# Altium PCB PicoPrint-Alt1.PcbDoc (part 3 of 3) (continued)
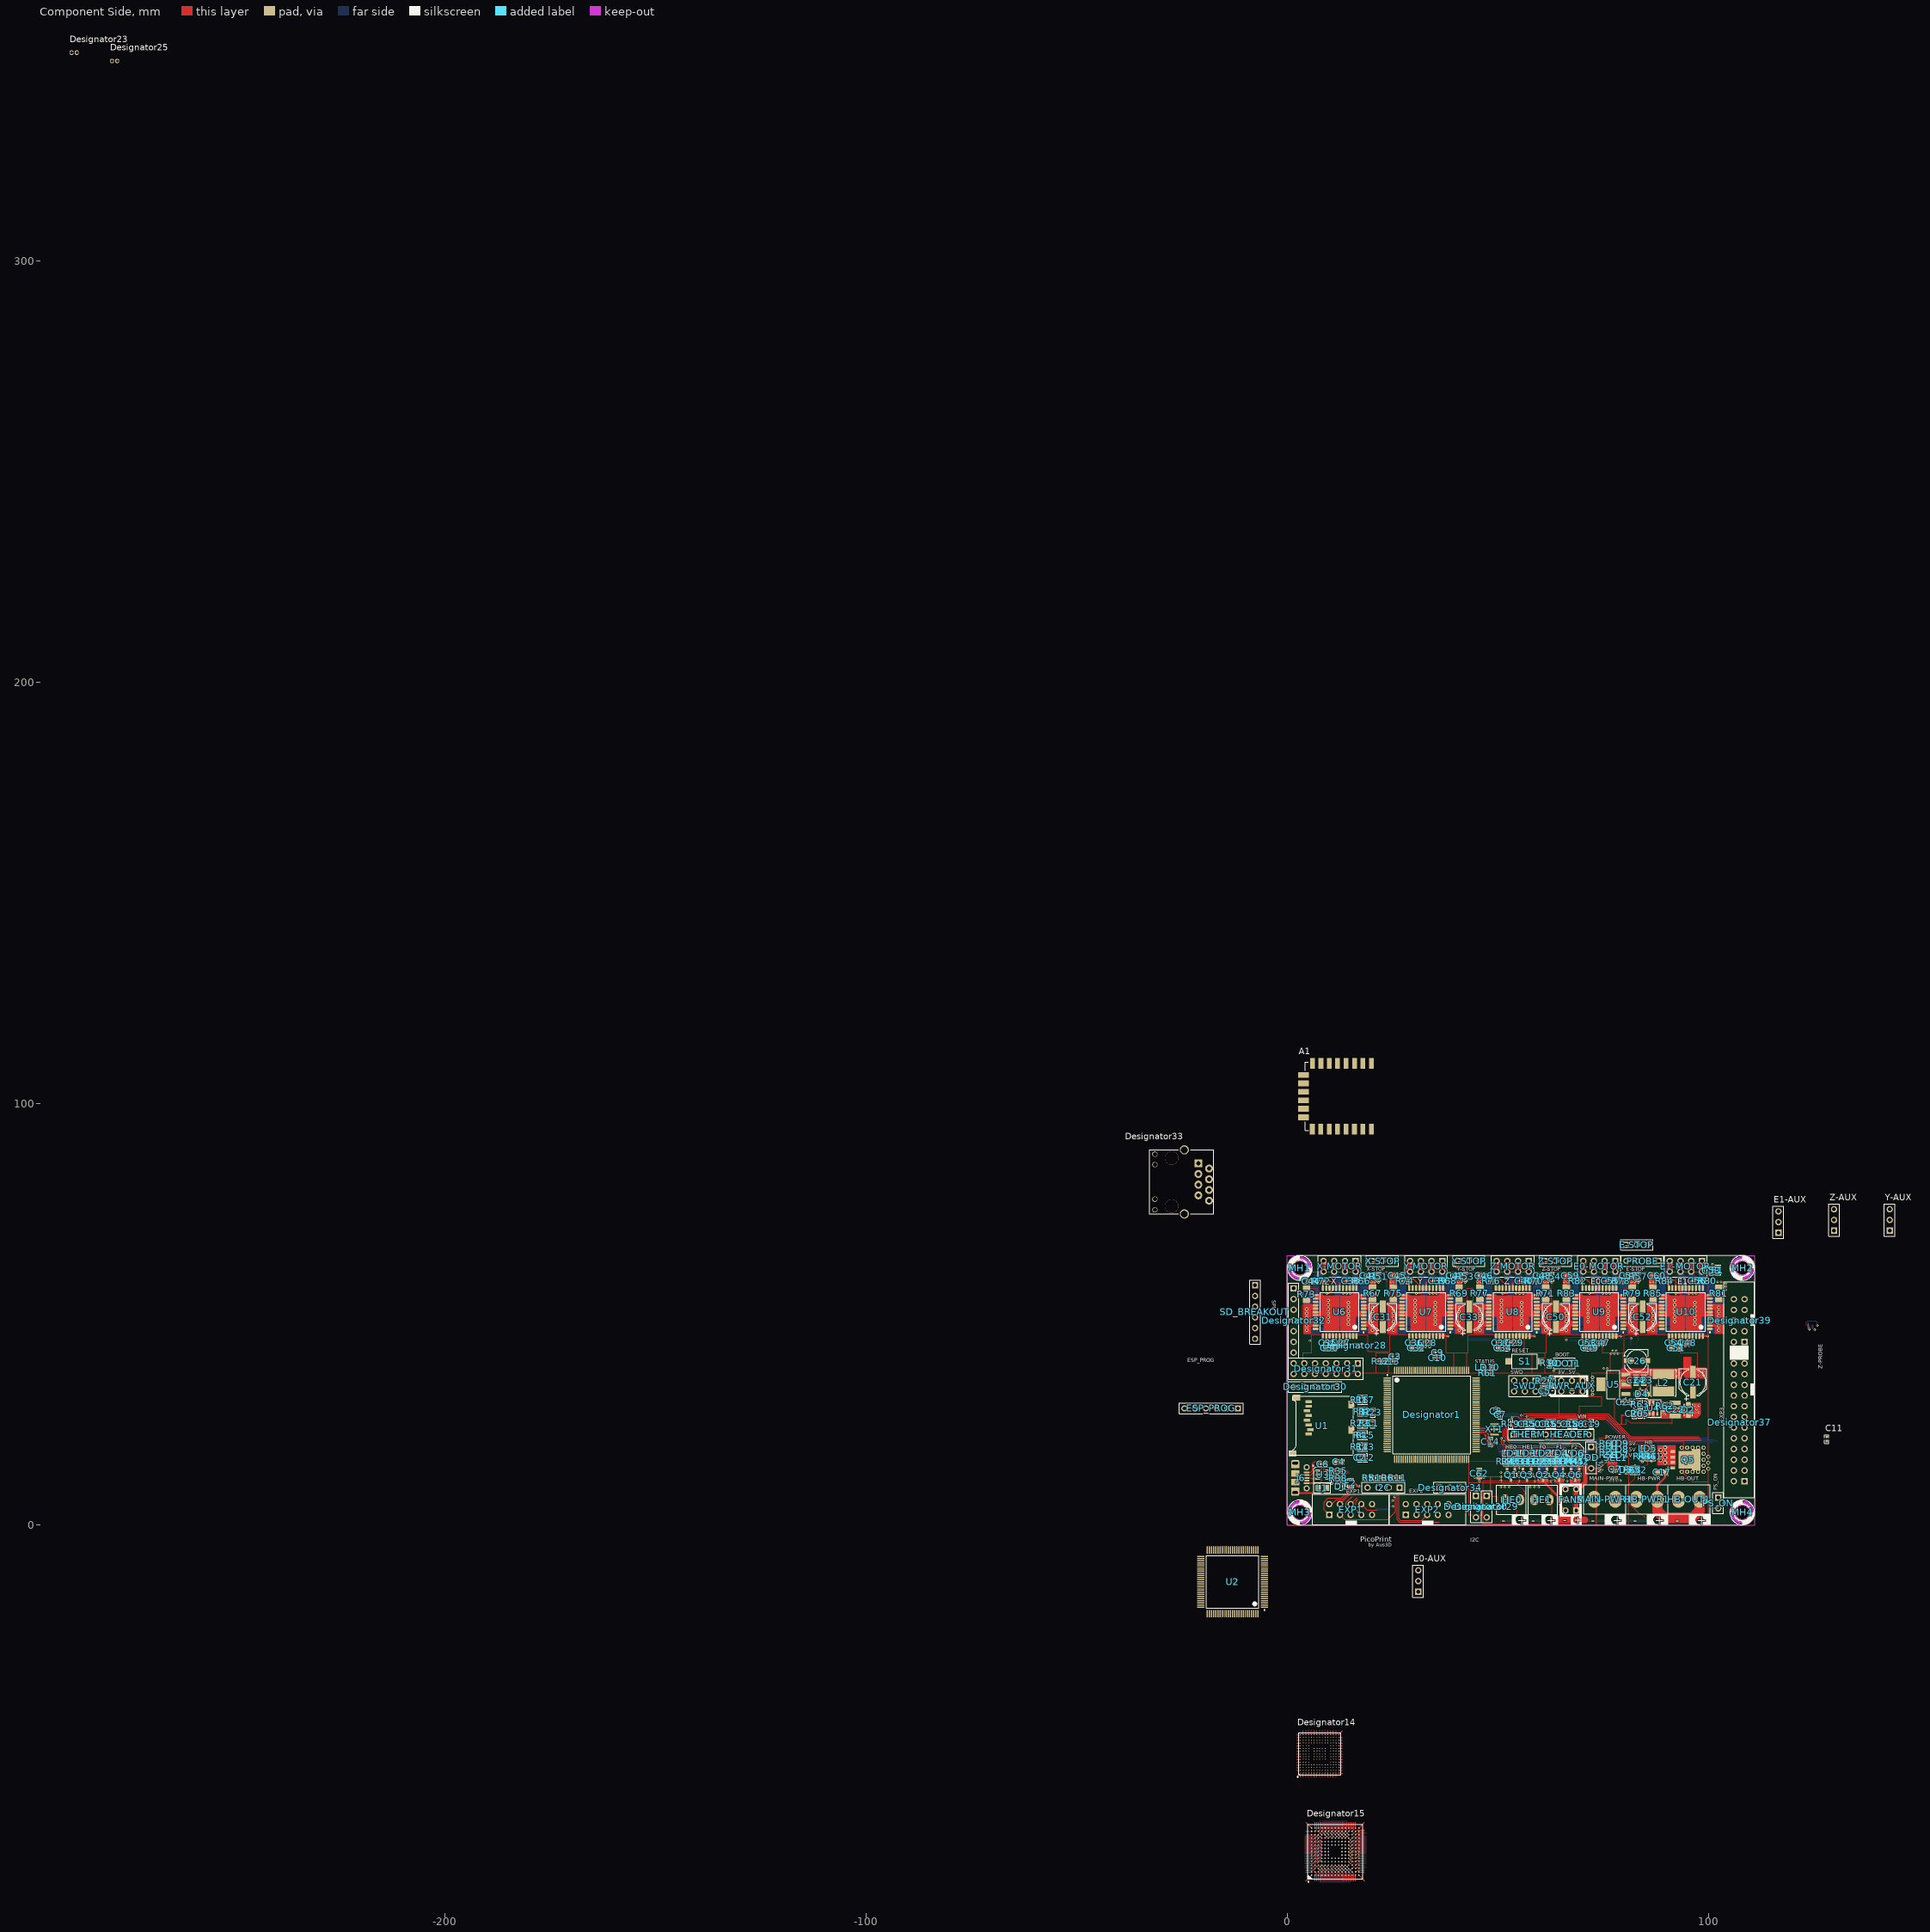
[diagram p0: Component Side view]
## Nets (pads, with @x,y where several pads share a name; then routed paths per layer and width w, separated by ;. In a path a pad name is that pad's centre, name@x,y a point inside that pad or via, vN(x,y) a via of type N, cw(c..) or ccw(c..) an arc to the next point about the centre after c; other vN are vias at no path point) (continued)

## Polygon pours and split planes (outlines as drawn)
HB_GND on Component Side "NONET_L01_P124" (solid, shelved, pour order 124): 73.45,0 73.45,12.6 76.3,15.45 76.3,19.9 85.5,19.9 85.5,14.3 82.45,13 82.45,11.05 80.873,9.473 80.873,0
GND on Component Side "NONET_L01_P187" (solid, remove dead copper, shelved, pour order 187): 0,60 0,0 100,0 100,60
GND on Component Side "NONET_L01_P148" (solid, remove dead copper, shelved, pour order 148): 95.377,51.816 93.599,51.816 93.599,56.515 93.526,56.588 92.21,56.588 92.21,58.539 94.234,58.547 94.234,55.499 95.504,54.229 96.647,54.229 96.647,51.816 96.647,51.308 95.44,51.308
VIN1 on Component Side "Bottom Layer-MPU-GND" (solid, remove dead copper, shelved, pour order 144): 80.876,45.204 93.281,45.204 93.281,40.894 95.948,40.894 97.282,40.894 97.282,35.954 95.123,35.954 76.708,35.954 76.708,40.894 80.01,40.894 80.01,45.204
NetC58_2 on Component Side "Bottom Layer-MPU-GND" (solid, remove dead copper, shelved, pour order 143): 92.076,48.704 95.376,48.704 95.376,50.004 95.376,52.197 94.383,52.197 93.376,53.204 93.376,56.204 92.076,56.204 92.076,50.304
NetC60_2 on Component Side "Bottom Layer-MPU-GND" (solid, remove dead copper, shelved, pour order 142): 81.168,48.704 77.868,48.704 77.868,50.004 77.868,52.197 78.861,52.197 79.868,53.204 79.868,56.204 81.168,56.204 81.168,50.304
NetC59_2 on Component Side "Bottom Layer-MPU-GND" (solid, remove dead copper, shelved, pour order 141): 62.626,48.704 59.326,48.704 59.326,50.004 59.326,52.197 60.319,52.197 61.326,53.204 61.326,56.204 62.626,56.204 62.626,50.304
NetC57_2 on Component Side "Bottom Layer-MPU-GND" (solid, remove dead copper, shelved, pour order 140): 73.534,48.704 76.834,48.704 76.834,50.004 76.834,52.197 75.841,52.197 74.834,53.204 74.834,56.204 73.534,56.204 73.534,50.304
VIN1 on Component Side "Bottom Layer-MPU-GND" (solid, remove dead copper, shelved, pour order 139): 62.334,45.204 74.739,45.204 74.739,40.894 77.406,40.894 79.629,40.894 79.629,35.954 76.581,35.954 72.25,35.954 72.25,30.6 69.35,30.6 69.35,35.954 58.166,35.954 58.166,40.894 61.468,40.894 61.468,45.204
VIN1 on Component Side "Bottom Layer-MPU-GND" (solid, remove dead copper, shelved, pour order 138): 43.792,45.204 56.197,45.204 56.197,40.894 58.864,40.894 61.087,40.894 61.087,35.954 58.039,35.954 39.624,35.954 39.624,40.894 42.926,40.894 42.926,45.204
NetC43_2 on Component Side "Bottom Layer-MPU-GND" (solid, remove dead copper, shelved, pour order 137): 54.992,48.704 58.292,48.704 58.292,50.004 58.292,52.197 57.299,52.197 56.292,53.204 56.292,56.204 54.992,56.204 54.992,50.304
NetC46_2 on Component Side "Bottom Layer-MPU-GND" (solid, remove dead copper, shelved, pour order 136): 44.084,48.704 40.784,48.704 40.784,50.004 40.784,52.197 41.777,52.197 42.784,53.204 42.784,56.204 44.084,56.204 44.084,50.304
VIN1 on Component Side "Bottom Layer-MPU-GND" (solid, remove dead copper, shelved, pour order 135): 6.708,45.204 19.113,45.204 19.113,41.2 24.003,41.2 24.003,35.954 20.955,35.954 3.81,35.954 3.81,40.894 5.842,40.894 5.842,45.204
NetC41_2 on Component Side "Bottom Layer-MPU-GND" (solid, remove dead copper, shelved, pour order 134): 17.908,48.704 21.208,48.704 21.208,50.004 21.208,52.197 20.215,52.197 19.208,53.204 19.208,56.204 17.908,56.204 17.908,50.304
NetC44_2 on Component Side "Bottom Layer-MPU-GND" (solid, remove dead copper, shelved, pour order 133): 7,48.704 3.7,48.704 3.7,50.004 3.7,52.197 4.693,52.197 5.7,53.204 5.7,56.204 7,56.204 7,50.304
NetC45_2 on Component Side "Bottom Layer-MPU-GND" (solid, remove dead copper, shelved, pour order 130): 25.542,48.704 22.242,48.704 22.242,50.004 22.242,52.197 23.235,52.197 24.242,53.204 24.242,56.204 25.542,56.204 25.542,50.304
NetC42_2 on Component Side "Bottom Layer-MPU-GND" (solid, remove dead copper, shelved, pour order 129): 36.45,48.704 39.75,48.704 39.75,50.004 39.75,52.197 38.757,52.197 37.75,53.204 37.75,56.204 36.45,56.204 36.45,50.304
VIN1 on Component Side "Bottom Layer-MPU-GND" (solid, remove dead copper, shelved, pour order 128): 25.25,45.204 37.655,45.204 37.655,40.894 40.322,40.894 42.545,40.894 42.545,35.954 39.497,35.954 21.082,35.954 21.082,40.894 24.384,40.894 24.384,45.204
NetHE0_2 on Component Side "NONET_L01_P132" (solid, remove dead copper, shelved, pour order 132): 48.2,11.45 45.25,11.45 45.25,10 43,10 43,2.45 46.346,2.45 46.346,6.75 48.2,6.75
GND on Component Side "NONET_L01_P149" (solid, shelved, pour order 149): 43,15.097 43,10.05 62.705,10.05 62.705,2.1 67.95,2.1 67.95,12.1 63.5,12.1 63.5,15.15
NetHE1_2 on Component Side "NONET_L01_P131" (solid, remove dead copper, shelved, pour order 131): 48.296,11.473 50.842,11.473 50.842,9.95 54.5,9.95 56.625,7.675 54.5,5.55 54.5,2.45 50,2.45 50,6.75 48.75,6.75 48.296,7.557
NetHB-OUT1_1 on Component Side "NONET_L01_P151" (solid, shelved, pour order 151): 81,5.2 83.2,3 87.65,0 100,0 100,10.175 96.175,10.175 94.2,12.15 94.2,19.8 81,19.8
+3V3 on Component Side "NONET_L01_P153" (solid, shelved, pour order 153): 69.4,25.8 69.4,28.2 74.7,28.2 74.7,30.4 69.4,30.4 69.4,35.9 65,35.9 65,32.1 64.5,32.1 64.5,30.3 64.5,25.8 66.4,25.8
NetC20_1 on Component Side "NONET_L01_P155" (solid, shelved, pour order 155): 79.3,23.876 77.716,23.876 77.716,29.7 86.3,29.7 86.3,26.1 79.3,26.1
VIN on Component Side "NONET_L01_P154" (solid, shelved, pour order 154): 79.494,23.9 79.494,26 85.979,26 85.979,29.221 85.9,29.3 91.3,29.3 91.3,24 91.17,24.13 81.6,24.13 80.429,25.065 80.429,23.9
NetMAIN-PWR1_2 on Component Side "NONET_L01_P125" (solid, shelved, pour order 125): 68.8,13.4 68.8,0 73.35,0 73.35,13.4
VIN1 on Component Side "NONET_L01_P127" (solid, shelved, pour order 127): 71.1,13.6 73,13.6 74.4,13.6 74.4,13.7 76.3,15.6 76.3,20.6 74,20.6 74,16 73.6,15.6 71.1,15.6
VIN1 on Component Side "NONET_L01_P146" (solid, shelved, pour order 146): 69.3,13.6 69,13.6 68.65,13.25 68.65,0.2 46.55,0.2 46.55,10.45 62.95,10.45 62.95,12.5 64.8,14.5 65.9,15.6 69.3,15.6
HB_GND on Ground Plane "NONET_L02_P186" (solid, shelved, pour order 186): 73.9,0 73.9,9.1 73.9,9.6 76.3,12 76.3,18.95 76.7,19.35 93.9,19.35 94.3,18.95 94.3,12.408 94.708,12 100,12 100,4.5 94.6,0
GND on Ground Plane "NONET_L02_P191" (solid, remove dead copper, shelved, pour order 191): 0,0 100,0 100,59.924 100.076,60 0,60
GND on Ground Plane "NONET_L02_P193" (solid, shelved, pour order 193): 19.177,21.082 22.606,21.082 22.606,11.43 19.177,11.43
HB_GND on Power Plane "NONET_L03_P181" (solid, shelved, pour order 181): 73.9,0 73.9,9.6 76.3,12 76.3,19.9 85.5,19.9 85.5,14.3 82.45,13 82.45,6.95 82.45,0
NetMAIN-PWR1_2 on Power Plane "NONET_L03_P145" (solid, shelved, pour order 145): 66.8,12.3 76.3,12.3 76.3,10.4 73.75,7.85 73.75,0.25 68.5,0.25 68.5,8.8 66.8,10.5
VIN1 on Power Plane "NONET_L03_P147" (solid, shelved, pour order 147): 66.8,12.5 72.8,12.5 76.3,12.5 76.3,20.25 74.55,20.25 70.45,20.25 66.8,16.6 65.15,14.85
NetHB-OUT1_1 on Power Plane "NONET_L03_P158" (solid, shelved, pour order 158): 82.4,3.8 86.2,0 100,0 100,13.15 94.2,13.15 94.2,20.5 82.4,20.5
+3V3 on Power Plane "NONET_L03_P182" (solid, remove dead copper, shelved, pour order 182): 0,60 0,0 100,0 100,60
VIN1 on Power Plane "NONET_L03_P126" (solid, shelved, pour order 126): 70.2,13.6 69,13.6 68.55,13.15 68.55,0.2 62.25,0.2 39.8,0.2 42.655,3.055 42.655,14.5 55.22,14.32 57.9,17 63.609,17 66.509,19.9 70.2,21.55
HB_GND on Solder Side "NONET_L04_P150" (solid, remove dead copper, shelved, pour order 150): 73.35,0 73.35,19.9 85.2,19.9 85.2,14.172 82.45,13 82.45,11.05 82.45,0
VIN1 on Solder Side "NONET_L04_P183" (solid, remove dead copper, shelved, pour order 183): 73.1,13.6 69,13.6 68.6,13.2 68.6,0.2 62.6,0.2 62.6,9.3 62.6,17.35 64.842,19.592 73.1,19.592
NetMAIN-PWR1_2 on Solder Side "NONET_L04_P184" (solid, shelved, pour order 184): 68.7,13.4 68.7,0 73.3,0 73.3,13.4
E1_MOT_1B on Solder Side "NONET_L04_P180" (solid, shelved, pour order 180): 91.268,41 91.236,41.032 91.236,52.924 89.068,55.1 89.068,60.1 91.568,60.1 91.568,56 95.568,52 95.568,41
E1_MOT_1A on Solder Side "NONET_L04_P179" (solid, shelved, pour order 179): 87.168,41 87.168,55 87.168,55.1 86.468,55.8 86.468,60 89.068,60 89.068,55.1 91.268,52.9 91.268,41 87.968,41
E1_MOT_2B on Solder Side "NONET_L04_P178" (solid, shelved, pour order 178): 81.457,43.103 85.026,43.103 85.026,54.042 84.168,54.9 84.168,60.1 81.668,60.1 81.668,56.3 80.067,54.699 80.076,48.663 80.076,43.208 79.968,43.1
E1_MOT_2A on Solder Side "NONET_L04_P177" (solid, shelved, pour order 177): 77.568,54.3 77.568,41 86.868,41 87.068,41.2 87.068,54.8 86.468,55.4 86.468,60 84.168,60 84.168,55 84.168,54 85.168,53 85.168,43.5 84.768,43.1 81.457,43.103 81.457,47.289 81.468,47.3 80.168,48.6 80.168,54.3
E0_MOT_2A on Solder Side "NONET_L04_P176" (solid, shelved, pour order 176): 59.026,54.3 59.026,41 68.326,41 68.526,41.2 68.526,54.8 67.926,55.4 67.926,60 65.626,60 65.626,55 65.626,54 66.626,53 66.626,43.5 66.226,43.1 62.915,43.103 62.915,47.289 62.926,47.3 61.626,48.6 61.626,54.3
E0_MOT_2B on Solder Side "NONET_L04_P175" (solid, shelved, pour order 175): 62.915,43.103 66.484,43.103 66.484,54.042 65.626,54.9 65.626,60.1 63.126,60.1 63.126,56.3 61.525,54.699 61.534,48.663 61.534,43.208 61.426,43.1
E0_MOT_1A on Solder Side "NONET_L04_P174" (solid, shelved, pour order 174): 68.626,41 68.626,55 68.626,55.1 67.926,55.8 67.926,60 70.526,60 70.526,55.1 72.726,52.9 72.726,41 69.426,41
E0_MOT_1B on Solder Side "NONET_L04_P173" (solid, shelved, pour order 173): 72.726,41 72.694,41.032 72.694,52.924 70.526,55.1 70.526,60.1 73.026,60.1 73.026,56 77.026,52 77.026,41
Z_MOT_1B on Solder Side "NONET_L04_P172" (solid, shelved, pour order 172): 54.184,41 54.152,41.032 54.152,52.924 51.984,55.1 51.984,60.1 54.484,60.1 54.484,56 58.484,52 58.484,41
Z_MOT_1A on Solder Side "NONET_L04_P171" (solid, shelved, pour order 171): 50.084,41 50.084,55 50.084,55.1 49.384,55.8 49.384,60 51.984,60 51.984,55.1 54.184,52.9 54.184,41 50.884,41
Z_MOT_2B on Solder Side "NONET_L04_P170" (solid, shelved, pour order 170): 44.373,43.103 47.942,43.103 47.942,54.042 47.084,54.9 47.084,60.1 44.584,60.1 44.584,56.3 42.983,54.699 42.992,48.663 42.992,43.208 42.884,43.1
Z_MOT_2A on Solder Side "NONET_L04_P169" (solid, shelved, pour order 169): 40.484,54.3 40.484,41 49.784,41 49.984,41.2 49.984,54.8 49.384,55.4 49.384,60 47.084,60 47.084,55 47.084,54 48.084,53 48.084,43.5 47.684,43.1 44.373,43.103 44.373,47.289 44.384,47.3 43.084,48.6 43.084,54.3
Y_MOT_2A on Solder Side "NONET_L04_P164" (solid, shelved, pour order 164): 21.942,54.3 21.942,41 31.242,41 31.442,41.2 31.442,54.8 30.842,55.4 30.842,60 28.542,60 28.542,55 28.542,54 29.542,53 29.542,43.5 29.142,43.1 25.831,43.103 25.831,47.289 25.842,47.3 24.542,48.6 24.542,54.3
Y_MOT_2B on Solder Side "NONET_L04_P168" (solid, shelved, pour order 168): 25.831,43.103 29.4,43.103 29.4,54.042 28.542,54.9 28.542,60.1 26.042,60.1 26.042,56.3 24.441,54.699 24.45,48.663 24.45,43.208 24.342,43.1
Y_MOT_1A on Solder Side "NONET_L04_P166" (solid, shelved, pour order 166): 31.542,41 31.542,55 31.542,55.1 30.842,55.8 30.842,60 33.442,60 33.442,55.1 35.642,52.9 35.642,41 32.342,41
Y_MOT_1B on Solder Side "NONET_L04_P165" (solid, shelved, pour order 165): 35.642,41 35.61,41.032 35.61,52.924 33.442,55.1 33.442,60.1 35.942,60.1 35.942,56 39.942,52 39.942,41
X_MOT_1B on Solder Side "NONET_L04_P163" (solid, shelved, pour order 163): 17.068,40.9 17.068,52.824 14.9,55 14.9,60 17.4,60 17.4,55.9 21.4,51.9 21.4,40.9
X_MOT_1A on Solder Side "NONET_L04_P162" (solid, shelved, pour order 162): 13,40.9 13,54.9 13,55 12.3,55.7 12.3,59.9 14.9,59.9 14.9,55 17.1,52.8 17.1,40.9 13.8,40.9
X_MOT_2B on Solder Side "NONET_L04_P161" (solid, shelved, pour order 161): 7.289,43.003 11.097,43.003 11.097,53.703 10,54.8 10,60 7.5,60 7.5,56.2 5.899,54.599 5.908,48.563 5.908,43.108 5.8,43
X_MOT_2A on Solder Side "NONET_L04_P160" (solid, shelved, pour order 160): 3.4,54.2 3.4,40.9 12.9,40.9 12.9,54.7 12.3,55.3 12.3,59.9 10,59.9 10,54.9 10,53.9 11,52.9 11,43.4 10.6,43 7.289,43.003 7.289,47.189 7.3,47.2 6,48.5 6,54.2
+3V3 on Solder Side "NONET_L04_P159" (solid, remove dead copper, shelved, pour order 159): 66,21 76,21 76,33 64,33 64,21
GND on Solder Side "NONET_L04_P185" (solid, remove dead copper, shelved, pour order 185): 0,60 0,0 100,0 100,60
NetHB-OUT1_1 on Solder Side "NONET_L04_P152" (solid, shelved, pour order 152): 82.4,3.8 83.2,3 93.3,3 94.2,3.9 94.2,19.812 82.4,19.812
NetHE0_2 on Solder Side "NONET_L04_P156" (solid, shelved, pour order 156): 48.105,9.5 42.856,9.5 42.856,1.25 48.105,1.25
NetHE1_2 on Solder Side "NONET_L04_P157" (solid, shelved, pour order 157): 53.705,9.5 48.305,9.5 48.305,1.25 53.705,1.25

## Keep-outs
Keep-Out Layer:
  circle w1: c108,61 r2.2
  circle w1: c3,61 r2.2
  circle w1: c3,3 r2.2
  circle w1: c108,3 r2.2
  circle w0.1: c108,3 r3
  circle w0.1: c3,3 r3
  circle w0.1: c3,61 r3
  circle w0.1: c108,61 r3
  lines w0.1: 0,0 111,0 111,64 0,64 0,0

## Other copper
Component Side:
  rectangle net GND: 85.868,56.304 87.668,60.154
  rectangle net GND: 65.4,56.304 67.126,60.154
  region net GND: 82.834,60.154 81.034,60.154 81.034,56.304 82.834,56.304
  region net GND: 62.2,60.154 60.492,60.154 60.492,56.304 62.2,56.304
  rectangle net GND: 44.9,56.304 46.584,60.154
  region net GND: 21.1,60.154 19.408,60.154 19.408,56.304 21.1,56.304
  rectangle net GND: 24.242,56.304 26.042,60.154
  region net GND: 41.6,60.154 39.95,60.154 39.95,56.304 41.6,56.304
  rectangle net NetFANS_2: 59.455,10 61.955,11.5
  rectangle net NetFANS_4: 63.265,10 65.765,11.5
  rectangle net NetFANS_6: 67.075,10 69.575,11.5
  region net VIN1: 78.3,13.6 78.3,15.6 76,15.6 76,13.6
  region net E1_MOT_1B: 99.768,47.079 101.468,47.079 101.468,45.4 103.726,45.4 103.726,52.379 99.768,52.379 99.768,51.079 101.468,51.079 101.468,48.379 99.768,48.379
  region net E0_MOT_1B: 79.226,47.079 80.926,47.079 80.926,45.4 83.184,45.4 83.184,52.379 79.226,52.379 79.226,51.079 80.926,51.079 80.926,48.379 79.226,48.379
  region net E1_MOT_2A: 89.476,47.079 87.776,47.079 87.776,45.4 85.384,45.4 85.384,52.379 87.776,52.379 89.476,52.379 89.476,51.079 87.776,51.079 87.776,48.379 89.476,48.379
  region net Z_MOT_1B: 58.684,47.079 60.384,47.079 60.384,45.4 62.642,45.4 62.642,52.379 58.684,52.379 58.684,51.079 60.384,51.079 60.384,48.379 58.684,48.379
  region net E0_MOT_2A: 68.939,47.079 67.239,47.079 67.239,45.4 64.715,45.4 64.715,52.379 67.239,52.379 68.939,52.379 68.939,51.079 67.239,51.079 67.239,48.379 68.939,48.379
  region net X_MOT_2A: 7.308,47.079 5.608,47.079 5.608,45.4 3.85,45.4 3.85,52.379 5.608,52.379 7.308,52.379 7.308,51.079 5.608,51.079 5.608,48.379 7.308,48.379
  region net X_MOT_1B: 17.6,47.079 19.3,47.079 19.3,45.4 21.558,45.4 21.558,52.379 17.6,52.379 17.6,51.079 19.3,51.079 19.3,48.379 17.6,48.379
  region net Y_MOT_2A: 27.85,47.079 26.15,47.079 26.15,45.4 23.758,45.4 23.758,52.379 26.15,52.379 27.85,52.379 27.85,51.079 26.15,51.079 26.15,48.379 27.85,48.379
  region net X_MOT_1A: 18.908,49.504 16.2,49.504 16.2,45.8 12.532,45.8 12.532,54.419 15.113,54.419 15.698,55.004 16.9,55.004 16.9,54.804 18.608,54.804 18.608,53.504 16.9,53.504 16.9,50.804 18.908,50.804
  region net X_MOT_2B: 5.808,49.504 8.708,49.504 8.708,45.8 12.332,45.8 12.332,54.419 8.671,54.419 8.232,54.804 6.408,54.804 6.408,53.504 8.008,53.504 8.008,50.804 5.808,50.804
  region net Y_MOT_1A: 39.45,49.504 36.742,49.504 36.742,45.8 33.074,45.8 33.074,54.419 35.655,54.419 36.24,55.004 37.442,55.004 37.442,54.804 39.15,54.804 39.15,53.504 37.442,53.504 37.442,50.804 39.45,50.804
  region net Y_MOT_2B: 26.35,49.504 29.25,49.504 29.25,45.8 32.874,45.8 32.874,54.419 29.213,54.419 28.774,54.804 26.95,54.804 26.95,53.504 28.55,53.504 28.55,50.804 26.35,50.804
  region net Z_MOT_1A: 59.992,49.504 57.284,49.504 57.284,45.8 53.616,45.8 53.616,54.419 56.197,54.419 56.782,55.004 57.984,55.004 57.984,54.804 59.692,54.804 59.692,53.504 57.984,53.504 57.984,50.804 59.992,50.804
  region net Z_MOT_2B: 46.892,49.504 49.792,49.504 49.792,45.8 53.416,45.8 53.416,54.419 49.755,54.419 49.316,54.804 47.492,54.804 47.492,53.504 49.092,53.504 49.092,50.804 46.892,50.804
  region net E0_MOT_1A: 80.534,49.504 77.826,49.504 77.826,45.8 74.158,45.8 74.158,54.419 76.739,54.419 77.324,55.004 78.526,55.004 78.526,54.804 80.234,54.804 80.234,53.504 78.526,53.504 78.526,50.804 80.534,50.804
  region net E0_MOT_2B: 67.434,49.504 70.334,49.504 70.334,45.8 73.958,45.8 73.958,54.419 70.297,54.419 69.858,54.804 68.034,54.804 68.034,53.504 69.634,53.504 69.634,50.804 67.434,50.804
  region net +3V3: 78.95,32.414 78.95,34.414 78.95,34.564 81.7,34.564 81.7,32.414
  region net E1_MOT_2B: 87.976,49.504 90.876,49.504 90.876,45.8 94.5,45.8 94.5,54.419 90.839,54.419 90.4,54.804 88.576,54.804 88.576,53.504 90.176,53.504 90.176,50.804 87.976,50.804
  region net E1_MOT_1A: 101.076,49.504 98.368,49.504 98.368,45.8 94.7,45.8 94.7,54.419 97.281,54.419 97.866,55.004 99.068,55.004 99.068,54.804 100.776,54.804 100.776,53.504 99.068,53.504 99.068,50.804 101.076,50.804
  region net Z_MOT_2A: 48.428,47.079 46.728,47.079 46.728,45.4 44.289,45.4 44.289,52.379 46.728,52.379 48.428,52.379 48.428,51.079 46.728,51.079 46.728,48.379 48.428,48.379
  region net GND: 86.494,26.82 86.494,25.423 86.05,25.423 86.05,25.314 93.606,25.314 93.606,27.836 90.558,27.836 90.558,27.114 88.7,27.114 88.7,25.714 87.256,25.714 87.256,26.82
  region net Y_MOT_1B: 38.142,47.079 39.842,47.079 39.842,45.4 42.1,45.4 42.1,52.379 38.142,52.379 38.142,51.079 39.842,51.079 39.842,48.379 38.142,48.379
  region net +5V: 79.25,34.814 79.25,37.114 93.6,37.114 93.6,34.814
  region net HB_GND: 92.2,18.85 87.8,18.85 87.8,14.2 92.2,14.2
  region net VIN1: 93.9,25.414 93.9,27.214 96.3,27.214 96.3,28.914 98.1,28.914 98.1,26.164 97.35,25.414
  region net GND: 94.7,34.814 94.05,35.464 94.05,39.914 95.9,39.914 95.9,37.964 96.5,37.364 99.4,37.364 99.4,35.014 99.2,34.814
Power Plane:
  region net VIN1: 76.3,42.27 76.3,39.52 79.3,39.52 79.3,42.27
  region net VIN1: 74,15.5 79.5,15.5 79.5,14 74,14
  region net VIN1: 96.3,25.014 96.3,27.214 96.3,28.914 98.1,28.914 98.1,25.014
  region net +5V: 84.3,34.764 84.3,37.043 93.6,37.043 93.6,34.764
Solder Side:
  rectangle net NetI2C_1: 24.05,4.65 24.4,4.9
  rectangle net NetF1_1: 123.488,47.142 123.688,47.442
  rectangle net NetFANS_6: 67.075,9.75 69.575,15.45
  rectangle net +5V: 79.65,34.86 93.387,37.085
  rectangle net NetFANS_2: 59.455,9.75 61.955,15.45
  rectangle net NetFANS_4: 63.265,9.75 65.765,15.45
  region net E1_MOT_2B: 88.264,55.689 89.661,55.689 90.931,54.419 92.9,54.419 92.9,47.625 92.582,47.307 89.661,47.307 89.661,51.244 88.264,52.641
  region net E1_MOT_1A: 99.186,55.689 98.551,55.689 97.281,54.419 95.229,54.419 95.229,45 99.186,45
  region net E1_MOT_1B: 103.25,45.529 99.44,45.529 99.44,57.213 101.218,57.213 103.25,55.181
  region net E0_MOT_1B: 82.708,45.529 78.898,45.529 78.898,57.213 80.676,57.213 82.708,55.181
  region net E0_MOT_1A: 78.644,55.689 78.009,55.689 76.739,54.419 74.687,54.419 74.687,45 78.644,45
  region net E0_MOT_2B: 67.722,55.689 69.119,55.689 70.389,54.419 72.4,54.419 72.4,47.667 72.04,47.307 69.119,47.307 69.119,51.244 67.722,52.641
  region net Z_MOT_2B: 47.18,55.689 48.577,55.689 49.847,54.419 51.8,54.419 51.8,47.609 51.498,47.307 48.577,47.307 48.577,51.244 47.18,52.641
  region net Z_MOT_1A: 58.102,55.689 57.467,55.689 56.197,54.419 54.145,54.419 54.145,45 58.102,45
  region net Z_MOT_1B: 62.166,45.529 58.356,45.529 58.356,57.213 60.134,57.213 62.166,55.181
  region net X_MOT_2B: 6.096,55.689 7.493,55.689 8.763,54.419 10.8,54.419 10.8,47.693 10.414,47.307 7.493,47.307 7.493,51.244 6.096,52.641
  region net X_MOT_1A: 17.018,55.689 16.383,55.689 15.113,54.419 13.061,54.419 13.061,44.9 17.018,44.9
  region net X_MOT_1B: 21.082,45.529 17.272,45.529 17.272,57.213 19.05,57.213 21.082,55.181
  region net Y_MOT_1B: 41.624,45.529 37.814,45.529 37.814,57.213 39.592,57.213 41.624,55.181
  region net Y_MOT_1A: 37.56,55.689 36.925,55.689 35.655,54.419 33.603,54.419 33.603,45 37.56,45
  region net Y_MOT_2B: 26.638,55.689 28.035,55.689 29.305,54.419 31.3,54.419 31.3,47.651 30.956,47.307 28.035,47.307 28.035,51.244 26.638,52.641
  region net HB_GND: 92.2,19 87.8,19 87.8,14.2 92.2,14.2
  region net Y_MOT_2A: 24.352,52.387 24.352,45.6 24.752,45.2 28.162,45.2 28.162,47.053 27.781,47.053 27.781,50.99 26.384,52.387 26.384,57 24.352,57
  region net X_MOT_2A: 3.86,52.337 3.86,45.55 4.26,45.15 7.67,45.15 7.67,47.003 7.289,47.003 7.289,50.94 5.892,52.337 5.892,56.8 3.86,56.8
  region net Z_MOT_2A: 44.944,52.337 44.944,45.55 45.344,45.15 48.754,45.15 48.754,47.003 48.373,47.003 48.373,50.94 46.976,52.337 46.976,56.95 44.944,56.95
  region net E0_MOT_2A: 65.486,52.337 65.486,45.55 65.886,45.15 69.296,45.15 69.296,47.003 68.915,47.003 68.915,50.94 67.518,52.337 67.518,56.95 65.486,56.95
  region net E1_MOT_2A: 85.978,52.387 85.978,45.6 86.378,45.2 89.788,45.2 89.788,47.053 89.407,47.053 89.407,50.99 88.01,52.387 88.01,57 85.978,57

## Silkscreen, mask and mechanical layers (free items; w line width, h text height)
Top Overlay:
  drawing of 101 lines, arcs and shapes, not listed
  text "X-STOP" at 18.884,60.288 h0.9
  text "Y-STOP" at 40.426,60.288 h0.9
  text "Z-STOP" at 60.468,60.288 h0.9
  text "E-STOP" at 80.51,60.288 h0.9
  text "X" at 10.418,57.154 h1.4
  text "Y" at 30.96,57.154 h1.4
  text "Z" at 51.502,57.154 h1.4
  text "E0" at 72.044,57.154 h1.4
  text "E1" at 92.586,57.154 h1.4
  text "SPI" at -3.556,53.34 h0.9 r270
  text "RESET" at 53.34,40.894 h0.9
  text "BOOT" at 63.661,39.99 h0.9
  text "ESP_PROG" at -23.7,38.6 h0.9
  text "STATUS" at 44.561,38.388 h0.9
  text "Z-PROBE" at 127,37 h1 r90
  text "SWD" at 53.045,35.843 h0.9
  text "3V" at 64.221,35.843 h0.9
  text "5V" at 66.761,35.843 h0.9
  text "+" at 63.618,33.768 h1.5 r90
  text "-" at 63.37,32.473 h1.5 r180
  text "VIN" at 69.005,25.321 h0.9
  text "EXP3" at 103.5,24.5 h1 r90
  text "T0" at 54.18,23.495 h1
  text "T1" at 59.387,23.495 h1
  text "T2" at 64.34,23.495 h1
  text "T3" at 69.42,23.495 h1
  text "POWER" at 75.5,20.4 h1
  text "5V" at 73.7,19.7 h1 r270
  text "HB" at 84.9,19.1 h1
  text "3V" at 81.121,18.88 h0.9
  text "HE0" at 51.831,18.034 h1
  text "HE1" at 55.768,18.034 h1
  text "F0" at 59.832,18.034 h1
  text "F1" at 63.896,18.034 h1
  text "F2" at 67.452,18.034 h1
  text "5V" at 81.121,17.48 h0.9
  text "VIN" at 81.121,16.08 h0.9
  text "VIN" at 73.7,14.7 h1 r270
  text "MAIN-PWR" at 71.673,10.6 h1
  text "HB-PWR" at 83.173,10.6 h1
  text "HB-OUT" at 92.373,10.6 h1
  text "PS_ON" at 102.06,8.24 h0.9 r90
  text "EXP2" at 28.956,7.62 h1
  text "EXP1" at 13.918,7.55 h1
  text "+" at 68.025,0.392 h1.7
  text "-" at 65.485,0.372 h1.7
  text "-" at 50.943,0.209 h2
  text "+" at 54.523,0.209 h2
  text "-" at 57.943,0.209 h2
  text "+" at 61.523,0.209 h2
  text "-" at 72.111,0.209 h2
  text "+" at 77.191,0.209 h2
  text "-" at 82.111,0.209 h2
  text "+" at 87.191,0.209 h2
  text "-" at 92.111,0.209 h2
  text "+" at 97.191,0.209 h2
  text "PicoPrint" at 17.35,-3.95 h1.25
  text "I2C" at 43.5,-4 h1
  text "by Aus3D" at 19.25,-5.15 h0.8
Bottom Overlay:
  circle w0.254: c97.826,1.225 r1.092
  circle w0.254: c87.826,1.225 r1.092
  circle w0.254: c77.826,1.225 r1.092
  circle w0.254: c68.59,1.248 r0.9
  circle w0.254: c62.158,1.225 r1.092
  circle w0.254: c55.158,1.225 r1.092
  rectangle: 95.286,0 96.81,2.55
  rectangle: 98.842,0 100.5,2.55
  rectangle: 96.81,0 98.969,0.209
  rectangle: 96.81,2.213 98.969,2.55
  rectangle: 96.81,1.86 97.064,2.213
  rectangle: 98.588,1.86 98.842,2.241
  rectangle: 98.588,0.209 98.969,0.59
  rectangle: 96.556,0.209 97.064,0.59
  rectangle: 97.064,2.114 97.191,2.5
  rectangle: 98.461,2.129 98.778,2.241
  rectangle: 96.937,0 97.191,0.288
  rectangle: 98.41,0.209 98.588,0.336
  rectangle: 88.41,0.209 88.588,0.336
  rectangle: 86.937,0 87.191,0.288
  rectangle: 88.461,2.129 88.778,2.241
  rectangle: 87.064,2.114 87.191,2.5
  rectangle: 86.556,0.209 87.064,0.59
  rectangle: 88.588,0.209 88.969,0.59
  rectangle: 88.588,1.86 88.842,2.241
  rectangle: 86.81,1.86 87.064,2.213
  rectangle: 86.81,2.213 88.969,2.55
  rectangle: 86.81,0 88.969,0.209
  rectangle: 88.842,0 90.5,2.5
  rectangle: 85.286,0 86.81,2.55
  rectangle: 78.41,0.209 78.588,0.336
  rectangle: 76.937,0 77.191,0.288
  rectangle: 78.461,2.129 78.778,2.241
  rectangle: 77.064,2.114 77.191,2.5
  rectangle: 76.556,0.209 77.064,0.59
  rectangle: 78.588,0.209 78.969,0.59
  rectangle: 78.588,1.86 78.842,2.241
  rectangle: 76.81,1.86 77.064,2.213
  rectangle: 76.81,2.213 78.969,2.55
  rectangle: 76.81,0 78.969,0.209
  rectangle: 78.842,0 80.5,2.5
  rectangle: 75.286,0 76.81,2.55
  rectangle: 49.5,2.35 95.8,2.55
  rectangle: 49.9,0 95.5,0.2
  rectangle: 69.124,0.232 69.302,0.359
  rectangle: 67.651,0 67.905,0.311
  rectangle: 69.175,2.152 69.492,2.264
  rectangle: 67.778,2.137 67.905,2.523
  rectangle: 67.27,0.232 67.778,0.613
  rectangle: 69.302,0.232 69.683,0.613
  rectangle: 69.302,1.883 69.556,2.264
  rectangle: 67.524,1.883 67.778,2.236
  rectangle: 67.524,2.236 69.683,2.523
  rectangle: 67.524,0 69.683,0.232
  rectangle: 69.656,0 69.965,2.523
  rectangle: 67.251,0 67.524,2.523
  rectangle: 62.742,0.209 62.92,0.336
  rectangle: 61.269,0 61.523,0.288
  rectangle: 62.793,2.129 63.11,2.241
  rectangle: 61.396,2.114 61.523,2.5
  rectangle: 60.888,0.209 61.396,0.59
  rectangle: 62.92,0.209 63.301,0.59
  rectangle: 62.92,1.86 63.174,2.241
  rectangle: 61.142,1.86 61.396,2.213
  rectangle: 61.142,2.213 63.301,2.5
  rectangle: 61.142,0 63.301,0.209
  rectangle: 63.174,0 64.8,2.5
  rectangle: 60.331,0 61.142,2.5
  rectangle: 53.331,0 54.142,2.5
  rectangle: 56.174,0 57.1,2.5
  rectangle: 54.142,0 56.301,0.209
  rectangle: 54.142,2.213 56.301,2.5
  rectangle: 54.142,1.86 54.396,2.213
  rectangle: 55.92,1.86 56.174,2.241
  rectangle: 55.92,0.209 56.301,0.59
  rectangle: 53.888,0.209 54.396,0.59
  rectangle: 54.396,2.114 54.523,2.5
  rectangle: 55.793,2.129 56.11,2.241
  rectangle: 54.269,0 54.523,0.288
  rectangle: 55.742,0.209 55.92,0.336
  rectangle: 49.5,0 50.1,2.5
  region: 68.8,2.3 69.3,1.72 69.48,1.248 69.134,0.616 68.72,0.36 68.65,0.05 69.48,0.18 69.57,0.18 69.865,0.475 69.88,2.3
  region: 68.4,2.3 67.89,1.72 67.71,1.248 68.056,0.616 68.47,0.36 68.54,0.05 67.71,0.18 67.62,0.18 67.325,0.475 67.31,2.3
  lines w0.2: 96.789,19.05 96.789,32.004
  lines w0.203: 59.396,44.773 83.602,44.773 ; 59.624,56.636 83.602,56.636
  text "BOARD MODEL" at 83.576,54.909 h1.02
  text "PicoPrint" at 83.449,52.953 h1.4
  text "V0.2A" at 63.104,52.648 h1.02
  text "....................................................." at 83.449,52.14 h0.55 r180
  text "OPEN SOURCE" at 83.5,50.083 h1.07
  text "3D PRINTER ELECTRONICS" at 83.5,48.457 h1.02
  text "....................................................." at 83.449,47.644 h0.55 r180
  text "WWW.AUS3D.COM.AU" at 83.5,45.663 h1.02
  text "ENDSTOPS" at 99.8,36.5 h0.6
  text "3V" at 96.95,35.5 h0.6
  text "5V" at 98.95,35.5 h0.6
  text "GND" at 96.131,30.734 h0.9
  text "+5V" at 99.838,30.734 h0.9
  text "PE12" at 96.131,29.464 h0.9
  text "PE13" at 100.672,29.464 h0.9
  text "PE14" at 96.131,28.194 h0.9
  text "PE0" at 99.838,28.194 h0.9
  text "PE7" at 96.131,26.924 h0.9
  text "PC13" at 100.672,26.924 h0.9
  text "PC14" at 96.131,25.654 h0.9
  text "PC15" at 100.672,25.654 h0.9
  text "PE5" at 96.131,24.384 h0.9
  text "PE4" at 99.838,24.384 h0.9
  text "ESP8266" at 13.4,24.3 h1.5
  text "PE6" at 96.131,23.114 h0.9
  text "PE1" at 99.505,23.114 h0.9
  text "PE2" at 96.131,21.844 h0.9
  text "PE3" at 99.838,21.844 h0.9
  text "SDA" at 96.131,20.554 h0.9
  text "SCL" at 99.838,20.554 h0.9
  text "GND" at 96.131,19.254 h0.9
  text "VIN" at 99.672,19.254 h0.9
  text "5V" at 69.318,16.749 h0.9
  text "FANS" at 69.318,15.459 h0.9
  text "VIN" at 69.318,14.169 h0.9
  text "HE1" at 54.8,9.8 h1
  text "HE0" at 61.8,9.8 h1
  text "FANS" at 69.2,9.8 h1
  text "MAIN-PWR" at 79,9.8 h1
  text "HB-PWR" at 88.1,9.8 h1
  text "HB-OUT" at 98.1,9.8 h1
  text "3V" at 24.7,5.6 h0.6
  text "I2C" at 26.5,4.182 h0.6
  text "5V" at 24.7,2.6 h0.6
  text "+" at 68.025,0.392 h1.7
  text "-" at 65.485,0.372 h1.7
  text "-" at 50.993,0.209 h2
  text "+" at 54.523,0.209 h2
  text "-" at 57.943,0.209 h2
  text "+" at 61.523,0.209 h2
  text "-" at 72.111,0.209 h2
  text "+" at 77.191,0.209 h2
  text "-" at 82.111,0.209 h2
  text "+" at 87.191,0.209 h2
  text "-" at 92.111,0.209 h2
  text "+" at 97.191,0.209 h2
Mechanical 4:
  the board outline again, w0.1
Mechanical 15:
  lines w0.254: 15.24,33 97.536,33 97.536,52.578